# Altium PCB PCB1.PcbDoc (part 2 of 2)
Units mm, origin at the board's own origin, x right, y up, seen from the top; angles counter-clockwise.
Board outline 95 x 50 mm, 4 copper layers (Top Layer, GND02, PWR03, Bottom Layer), stack 0.603 mm thick; 238 components, 164 nets, 720 pads, 505 vias.
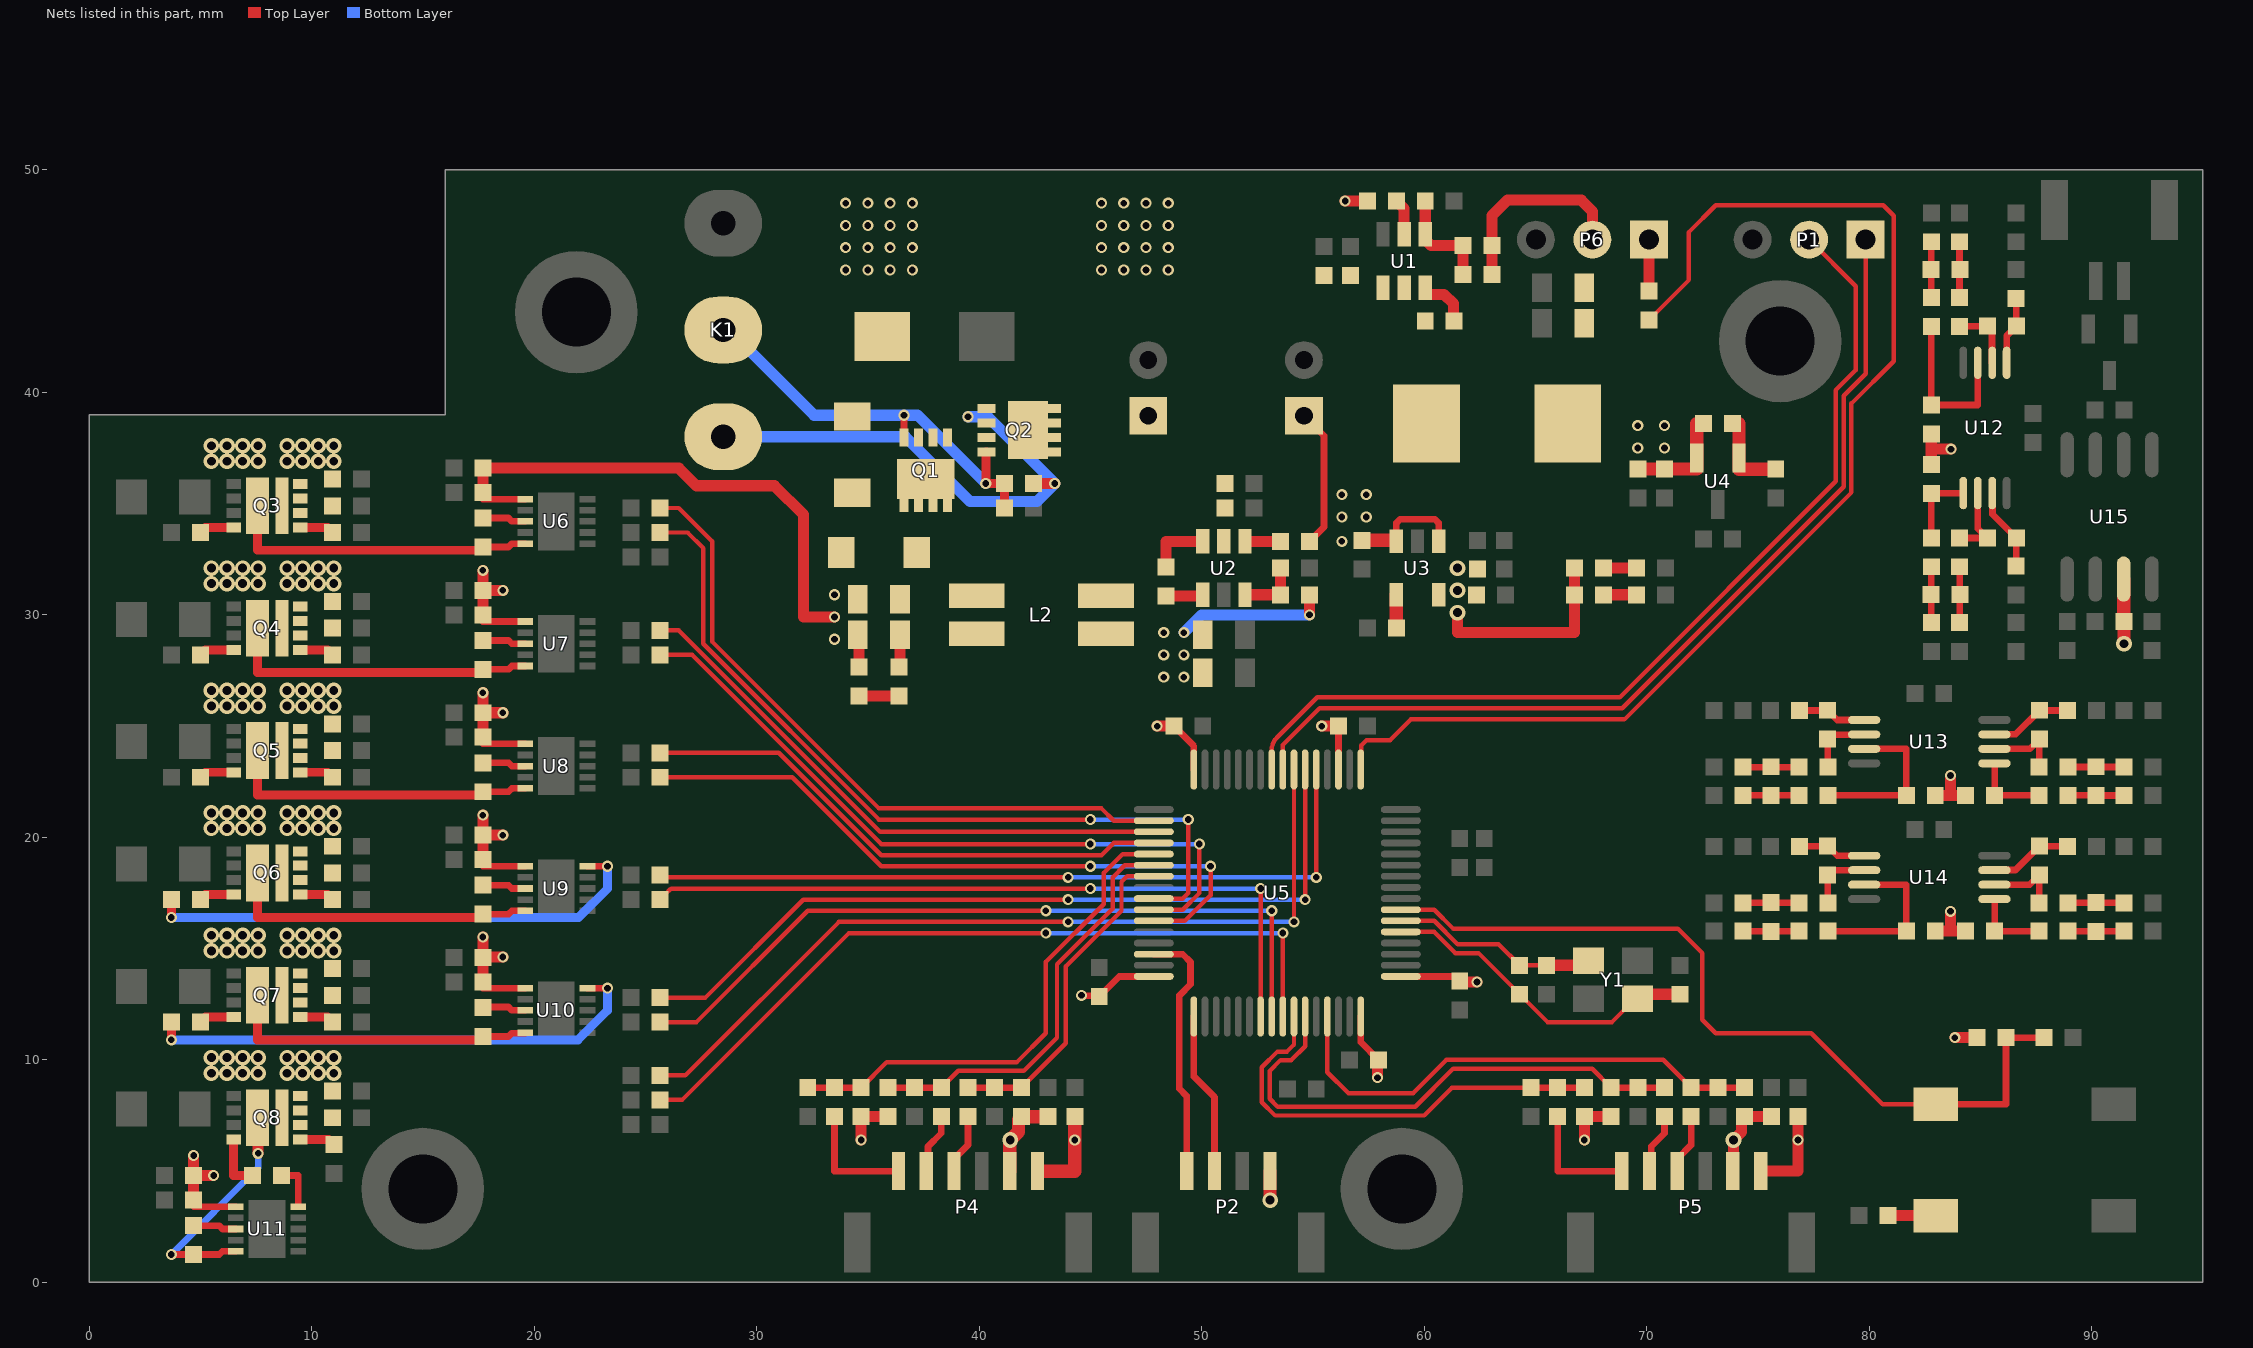
[diagram p4: the nets of this part, all layers, seen from the top]

## Via types
v1: diameter 0.5, hole 0.3, Top Layer to Bottom Layer, tented both sides, 292 vias
v2: diameter 0.7, hole 0.4, Top Layer to Bottom Layer, tented both sides, 213 vias

## Nets (pads, with @x,y where several pads share a name; then routed paths per layer and width w, separated by ;. In a path a pad name is that pad's centre, name@x,y a point inside that pad or via, vN(x,y) a via of type N, cw(c..) or ccw(c..) an arc to the next point about the centre after c; other vN are vias at no path point) (continued)
LO2_U: R43.1 U9.10 | length 22.8
  Top Layer w0.3: U9.10@22.4,18.701 U9.10@22.6,18.701 ; U9.10@22.6,18.7 v1(23.3,18.7)
  Top Layer w0.4: v1(3.7,16.4) R43.1@3.7,17.2
  Bottom Layer w0.4: v1(3.7,16.4) 22,16.4 23.3,17.7 v1(23.3,18.7)
LO2_V: R44.1 U10.10 | length 22.8
  Top Layer w0.3: U10.10@22.4,13.226 U10.10@22.6,13.226 ; U10.10@22.6,13.225 v1(23.3,13.225)
  Top Layer w0.4: v1(3.7,10.9) R44.1@3.7,11.7
  Bottom Layer w0.4: v1(3.7,10.9) 21.975,10.9 23.3,12.225 v1(23.3,13.225)
LO2_W: R45.1 U11.10 | length 2.1
  Top Layer w0.3: R45.1@8.65,4.8 9.4,4.8 U11.10@9.4,3.401
NetC1_1: C1.1 K1.2 Q1.S Q2.S | length 22.5
  Top Layer w0.5: C1.1@42.45,35.9 v1(43.4,35.9)
  Bottom Layer w0.5: K1.2@28.5,38 36.7,38 39.6,35.1 42.6,35.1 v1(43.4,35.9) 40.4,38.9 v1(39.5,38.9)
NetC1_2: C1.2 K1.1 Q1.G Q2.G R1.1 | length 19.1
  Top Layer w0.3: Q1.G@36.625,37.97 v1(36.625,38.97)
  Top Layer w0.4: Q2.G@40.33,37.325 40.315,37.325 40.315,35.915 v1(40.3,35.9) C1.2@41.15,35.9 R1.1@41.15,34.8
  Bottom Layer w0.5: K1.1@28.5,42.8 28.75,42.8 32.58,38.97 v1(36.625,38.97) 37.23,38.97 v1(40.3,35.9)
NetC6_1: C6.1 U1.6 | length 2.5
  Top Layer w0.5: U1.6@60.05,44.7 60.05,44.45 60.1,44.4 60.9,44.4 61.314,43.986 61.314,43.236 C6.1@61.35,43.2
NetC6_2: C6.2 L1.1 U1.5 | length 0.1
  Top Layer w0.254: L1.1@60.05,38.65 L1.1@60.1,38.6
NetC9_1: C9.1 R3.1 R4.1 U1.1 | length 4.9
  Top Layer w0.5: R4.1@60.05,48.6 60.05,46.85 60.3,46.6 R3.1@61.75,46.6 C9.1@61.75,45.3
NetC12_1: C12.1 U2.1 | length 1.7
  Top Layer w0.5: C12.1@48.4,30.85 50,30.85 U2.1@50.05,30.9
NetC12_2: C12.2 L2.2 U2.6 | length 2.8
  Top Layer w0.5: C12.2@48.4,32.15 48.4,33.3 U2.6@50.05,33.3
NetC22_2: C22.2 U3.4 | length 1.5
  Top Layer w0.6: C22.2@58.7,29.45 58.731,29.481 58.75,29.481 U3.4@58.75,30.9
NetC33_1: C33.1 U6.3 | length 2
  Top Layer w0.3: C33.1@17.7,34.35 18.85,34.35 19,34.2 U6.3@19.6,34.2
NetC34_1: C34.1 U7.3 | length 2
  Top Layer w0.3: C34.1@17.7,28.85 18.85,28.85 19,28.7 U7.3@19.6,28.7
NetC35_1: C35.1 U8.3 | length 2
  Top Layer w0.3: C35.1@17.7,23.35 18.85,23.35 19,23.2 U8.3@19.6,23.2
NetC48_1: C48.1 U9.3 | length 2
  Top Layer w0.3: C48.1@17.7,17.85 18.85,17.85 19,17.7 U9.3@19.6,17.7
NetC49_1: C49.1 U10.3 | length 2
  Top Layer w0.3: C49.1@17.7,12.375 18.85,12.375 19,12.225 U10.3@19.6,12.225
NetC50_1: C50.1 U11.3 | length 2
  Top Layer w0.3: C50.1@4.7,2.55 5.85,2.55 6,2.4 U11.3@6.6,2.4
NetC64_1: C64.1 R58.2 R59.1 | length 2.5
  Top Layer w0.3: R59.1@84.06,44.255 R58.2@84.06,46.765
NetC64_2: C64.2 R50.2 R51.1 | length 2.5
  Top Layer w0.3: R51.1@82.79,44.255 R50.2@82.79,46.765
NetC65_1: C65.1 R61.2 R62.1 | length 2.5
  Top Layer w0.3: R61.2@84.06,29.65 84.068,29.657 84.068,32.152 R62.1@84.06,32.16
NetC65_2: C65.2 R53.2 R54.1 | length 2.5
  Top Layer w0.3: C65.2@82.775,30.905 82.79,30.905 R54.1@82.79,32.16 ; C65.2@82.783,30.898 82.783,29.657 R53.2@82.79,29.65
NetC69_1: C69.1 R72.2 R73.1 | length 2.5
  Top Layer w0.3: R72.2@74.333,23.157 R73.1@76.843,23.157
NetC69_2: C69.2 R64.2 R65.1 | length 2.5
  Top Layer w0.3: R64.2@74.333,21.887 R65.1@76.843,21.887
NetC70_1: C70.1 R75.2 R76.1 | length 2.5
  Top Layer w0.3: R76.1@88.938,23.157 88.946,23.165 91.441,23.165 R75.2@91.448,23.157
NetC70_2: C70.2 R67.2 R68.1 | length 2.5
  Top Layer w0.3: R68.1@88.938,21.887 90.193,21.887 C70.2@90.193,21.872 ; C70.2@90.2,21.88 91.441,21.88 R67.2@91.448,21.887
NetC74_1: C74.1 R86.2 R87.1 | length 2.5
  Top Layer w0.3: R86.2@74.333,17.057 R87.1@76.843,17.057
NetC74_2: C74.2 R78.2 R79.1 | length 2.5
  Top Layer w0.3: R78.2@74.333,15.787 R79.1@76.843,15.787
NetC75_1: C75.1 R89.2 R90.1 | length 2.5
  Top Layer w0.3: R90.1@88.938,17.057 88.946,17.065 91.441,17.065 R89.2@91.448,17.057
NetC75_2: C75.2 R81.2 R82.1 | length 2.5
  Top Layer w0.3: R82.1@88.938,15.787 90.193,15.787 C75.2@90.193,15.772 ; C75.2@90.2,15.78 91.441,15.78 R81.2@91.448,15.787
NetD2_1: D2.1 L2.3
NetD3_2: D3.2 R6.1 | length 1.8
  Top Layer w0.5: D3.2@34.6,26.35 R6.1@36.4,26.35
NetD4_2: D4.2 R16.1 | length 1.5
  Top Layer w0.5: D4.2@68.05,32.1 R16.1@69.55,32.1
NetD5_2: D5.2 R17.1 | length 1.5
  Top Layer w0.5: D5.2@68.05,30.9 R17.1@69.55,30.9
NetF1_2: F1.2 Q1.D
NetP4_1: P4.1 R98.2 | length 5.3
  Top Layer w0.3: R98.2@33.5,7.45 33.5,5 P4.1@36.375,5
NetP4_2: P4.2 R99.2 | length 2.7
  Top Layer w0.3: P4.2@37.625,5 37.706,5.081 37.706,6.106 38.3,6.7 R99.2@38.3,7.45
NetP4_3: P4.3 R100.2 | length 2.7
  Top Layer w0.3: P4.3@38.875,5 38.875,5.55 39.5,6.175 R100.2@39.5,7.45
NetP5_1: P5.1 R104.2 | length 5.3
  Top Layer w0.3: R104.2@66,7.45 66,5 P5.1@68.875,5
NetP5_2: P5.2 R105.2 | length 2.7
  Top Layer w0.3: P5.2@70.125,5 70.206,5.081 70.206,6.106 70.8,6.7 R105.2@70.8,7.45
NetP5_3: P5.3 R106.2 | length 2.7
  Top Layer w0.3: P5.3@71.375,5 71.375,5.55 72,6.175 R106.2@72,7.45
NetP6_1: P6.1 R107.2 | length 2.3
  Top Layer w0.5: R107.2@70.1,44.55 70.1,46.859 P6.1@70.104,46.863
NetQ3_G1: Q3.G1 R24.2 | length 1.5
  Top Layer w0.4: Q3.G1@9.5,33.925 10.725,33.925 R24.2@10.95,33.7
NetQ3_G2: Q3.G2 R27.2 | length 1.6
  Top Layer w0.4: R27.2@5,33.7 5.225,33.925 Q3.G2@6.5,33.925
NetQ4_G1: Q4.G1 R25.2 | length 1.5
  Top Layer w0.4: Q4.G1@9.5,28.425 10.725,28.425 R25.2@10.95,28.2
NetQ4_G2: Q4.G2 R28.2 | length 1.6
  Top Layer w0.4: R28.2@5,28.2 5.225,28.425 Q4.G2@6.5,28.425
NetQ5_G1: Q5.G1 R26.2 | length 1.5
  Top Layer w0.4: Q5.G1@9.5,22.925 10.725,22.925 R26.2@10.95,22.7
NetQ5_G2: Q5.G2 R29.2 | length 1.6
  Top Layer w0.4: R29.2@5,22.7 5.225,22.925 Q5.G2@6.5,22.925
NetQ6_G1: Q6.G1 R40.2 | length 1.5
  Top Layer w0.4: Q6.G1@9.5,17.425 10.725,17.425 R40.2@10.95,17.2
NetQ6_G2: Q6.G2 R43.2 | length 1.6
  Top Layer w0.4: R43.2@5,17.2 5.225,17.425 Q6.G2@6.5,17.425
NetQ7_G1: Q7.G1 R41.2 | length 1.5
  Top Layer w0.4: Q7.G1@9.5,11.925 10.725,11.925 R41.2@10.95,11.7
NetQ7_G2: Q7.G2 R44.2 | length 1.6
  Top Layer w0.4: R44.2@5,11.7 5.225,11.925 Q7.G2@6.5,11.925
NetQ8_G1: Q8.G1 R42.2 | length 1.6
  Top Layer w0.4: Q8.G1@9.5,6.425 10.775,6.425 R42.2@11,6.2
NetQ8_G2: Q8.G2 R45.2 | length 2.5
  Top Layer w0.4: Q8.G2@6.5,6.425 6.5,4.8 R45.2@7.35,4.8
NetR2_1: R2.1 U1.2 | length 1.6
  Top Layer w0.5: R2.1@58.75,48.6 59.1,48.25 U1.2@59.1,47.1
NetR5_1: R5.1 U2.4 | length 1.6
  Top Layer w0.5: U2.4@51.95,33.3 R5.1@53.55,33.3
NetR7_1: R7.1 R8.1 U2.3 | length 2.8
  Top Layer w0.5: U2.3@51.95,30.9 R7.1@53.55,30.9 R8.1@53.55,32.1
NetR10_2: R10.2 R11.2 U4.1 | length 4
  Top Layer w0.6: R10.2@73.85,38.6 74.15,38.6 U4.1@74.15,37.05 74.15,36.55 R11.2@75.8,36.55
NetR15_1: R15.1 S2.2 | length 2.1
  Top Layer w0.5: R15.1@80.85,3 S2.2@83,3
NetR51_2: R51.2 R52.1 U12.3 | length 7.5
  Top Layer w0.3: R51.2@82.79,42.955 R52.1@82.79,39.429 84.878,39.429 U12.3@84.878,41.325
NetR54_2: R54.2 R55.1 U12.5 | length 3.1
  Top Layer w0.3: 82.79,33.841 R55.1@82.79,35.462 84.219,35.462 U12.5@84.228,35.471
NetR56_1: R56.1 R60.2 U12.1 | length 3.1
  Top Layer w0.3: U12.1@86.178,41.325 86.178,42.533 R60.2@86.615,42.97 86.608,42.977 86.608,44.217 R56.1@86.6,44.225
NetR57_1: R57.1 R63.2 U12.7 | length 3.7
  Top Layer w0.3: U12.7@85.528,35.471 85.538,35.461 85.538,34.522 86.607,33.452 86.607,32.198 R57.1@86.6,32.19
NetR59_2: R59.2 R60.1 U12.2 | length 3
  Top Layer w0.3: R59.2@84.06,42.955 84.067,42.962 85.307,42.962 R60.1@85.315,42.97 85.518,42.767 85.518,41.335 U12.2@85.528,41.325
NetR62_2: R62.2 R63.1 U12.6 | length 3.4
  Top Layer w0.3: R62.2@84.06,33.46 84.068,33.452 85.307,33.452 84.878,33.882 U12.6@84.878,35.471
NetR65_2: R65.2 R66.1 U13.3 | length 7.5
  Top Layer w0.3: R65.2@78.143,21.887 R66.1@81.669,21.887 81.669,23.975 U13.3@79.773,23.975
NetR68_2: R68.2 R69.1 U13.5 | length 3.1
  Top Layer w0.3: U13.5@85.627,23.325 85.636,23.316 R69.1@85.636,21.887 R68.2@87.257,21.887
NetR70_1: R70.1 R74.2 U13.1 | length 3.1
  Top Layer w0.3: R70.1@76.873,25.697 76.881,25.705 78.121,25.705 R74.2@78.128,25.712 78.565,25.275 U13.1@79.773,25.275
NetR71_1: R71.1 R77.2 U13.7 | length 3.7
  Top Layer w0.3: U13.7@85.627,24.625 85.637,24.635 86.576,24.635 87.646,25.704 88.9,25.704 R71.1@88.908,25.697
NetR73_2: R73.2 R74.1 U13.2 | length 3
  Top Layer w0.3: R73.2@78.143,23.157 78.136,23.164 78.136,24.404 R74.1@78.128,24.412 78.331,24.615 79.763,24.615 U13.2@79.773,24.625
NetR76_2: R76.2 R77.1 U13.6 | length 3.4
  Top Layer w0.3: U13.6@85.627,23.975 87.216,23.975 87.646,24.404 87.646,23.165 R76.2@87.638,23.157
NetR79_2: R79.2 R80.1 U14.3 | length 7.5
  Top Layer w0.3: R79.2@78.143,15.787 R80.1@81.669,15.787 81.669,17.875 U14.3@79.773,17.875
NetR82_2: R82.2 R83.1 U14.5 | length 3.1
  Top Layer w0.3: U14.5@85.627,17.225 85.636,17.216 R83.1@85.636,15.787 R82.2@87.257,15.787
NetR84_1: R84.1 R88.2 U14.1 | length 3.1
  Top Layer w0.3: R84.1@76.873,19.597 76.881,19.604 78.121,19.604 R88.2@78.128,19.612 78.565,19.175 U14.1@79.773,19.175
NetR85_1: R85.1 R91.2 U14.7 | length 3.7
  Top Layer w0.2: R85.1@88.9,19.604 R85.1@88.908,19.597
  Top Layer w0.3: U14.7@85.627,18.525 85.637,18.535 86.576,18.535 87.646,19.604 R85.1@88.9,19.604
NetR87_2: R87.2 R88.1 U14.2 | length 3
  Top Layer w0.3: R87.2@78.143,17.057 78.136,17.064 78.136,18.304 R88.1@78.128,18.312 78.331,18.515 79.763,18.515 U14.2@79.773,18.525
NetR90_2: R90.2 R91.1 U14.6 | length 3.4
  Top Layer w0.3: U14.6@85.627,17.875 87.216,17.875 87.646,18.304 87.646,17.065 R90.2@87.638,17.057
NRST: C32.2 R14.2 S1.2 U5.7 | length 37.3
  Top Layer w0.2: U5.7@58.95,16.75 60.45,16.75 61.3,15.9 71.4,15.9 72.5,14.8 72.5,11.8 73.1,11.2 77.4,11.2 80.6,8 S1.2@83,8
  Top Layer w0.3: S1.2@83,8 86.15,8 R14.2@86.15,11 C32.2@87.85,11
SWCLK: P2.2 U5.49 | length 7.3
  Top Layer w0.3: U5.49@49.65,11.95 49.65,9.25 50.575,8.325 P2.2@50.575,5
SWDIO: P2.1 U5.46 | length 11.5
  Top Layer w0.3: U5.46@47.85,14.75 49.15,14.75 49.5,14.4 49.5,13.4 49,12.9 49,8.7 49.325,8.375 P2.1@49.325,5
TIM1_CH1: R18.1 U5.41 | length 36.6
  Top Layer w0.2: R18.1@25.65,33.7 26.9,33.7 27.6,33 27.6,28.7 35.5,20.8 v1(45,20.8) ; U5.41@47.85,17.25 49.15,17.25 49.4,17.5 v1(49.4,20.8)
  Bottom Layer w0.2: v1(45,20.8) v1(49.4,20.8)
TIM1_CH1N: R19.1 U5.34 | length 30.7
  Top Layer w0.2: R19.1@25.65,34.8 26.5,34.8 28,33.3 28,28.8 35.5,21.3 45.5,21.3 46.05,20.75 U5.34@47.85,20.75
TIM1_CH2: R20.1 U5.42 | length 32.3
  Top Layer w0.2: R20.1@25.65,28.2 27.1,28.2 35.6,19.7 v1(45,19.7) ; U5.42@47.85,16.75 49.15,16.75 49.9,17.5 v1(49.9,19.7)
  Bottom Layer w0.2: v1(45,19.7) v1(49.9,19.7)
TIM1_CH2N: R21.1 U5.35 | length 25.9
  Top Layer w0.2: R21.1@25.65,29.3 26.5,29.3 35.55,20.25 U5.35@47.85,20.25
TIM1_CH3: R22.1 U5.43 | length 30.7
  Top Layer w0.2: R22.1@25.65,22.7 31.6,22.7 35.6,18.7 v1(45,18.7) ; U5.43@47.85,16.25 49.25,16.25 50.4,17.4 v1(50.4,18.7)
  Bottom Layer w0.2: v1(45,18.7) v1(50.4,18.7)
TIM1_CH3N: R23.1 U5.36 | length 24.3
  Top Layer w0.2: R23.1@25.65,23.8 31,23.8 35.6,19.2 45.5,19.2 46.05,19.75 U5.36@47.85,19.75
TIM2_CH4: R107.1 U5.17 | length 55.6
  Top Layer w0.2: U5.17@57.15,23.05 57.169,23.069 57.169,24.13 57.408,24.369 58.469,24.369 59.4,25.3 69,25.3 79.2,35.5 79.2,39.5 81.1,41.4 81.1,47.932 80.632,48.4 73.1,48.4 71.9,47.2 71.9,45.05 R107.1@70.1,43.25
TIM3_CH1: C81.2 R95.1 R98.1 U5.37 | length 22.6
  Top Layer w0.2: R95.1@34.7,8.75 35.85,9.9 41.7,9.9 43,11.2 43,14.4 45.6,17 45.6,18.4 46.45,19.25 U5.37@47.85,19.25
  Top Layer w0.3: C81.2@32.3,8.75 R98.1@33.5,8.75 R95.1@34.7,8.75
TIM3_CH2: C82.2 R96.1 R99.1 U5.38 | length 18.8
  Top Layer w0.2: R99.1@38.3,8.75 39.065,9.516 42.016,9.516 43.5,11 43.5,14.3 46,16.8 46,18.2 46.55,18.75 U5.38@47.85,18.75
  Top Layer w0.3: R96.1@35.9,8.75 R99.1@38.3,8.75
TIM3_CH3: C83.2 R97.1 R100.1 U5.39 | length 15.1
  Top Layer w0.2: R97.1@41.9,8.75 43.9,10.75 43.9,14.2 46.4,16.7 46.4,18 46.65,18.25 U5.39@47.85,18.25
  Top Layer w0.3: R100.1@39.5,8.75 C83.2@40.7,8.75 R97.1@41.9,8.75
TIM4_CH1: C86.2 R101.1 R104.1 U5.58 | length 20
  Top Layer w0.2: U5.58@54.15,11.95 54.15,10.688 53.836,10.374 53.41,10.374 52.7,9.664 52.7,8.1 53.3,7.5 60,7.5 61.25,8.75 C86.2@64.8,8.75
  Top Layer w0.3: C86.2@64.8,8.75 R104.1@66,8.75 R101.1@67.2,8.75
TIM4_CH2: C87.2 R102.1 R105.1 U5.59 | length 23.6
  Top Layer w0.2: U5.59@54.65,11.95 54.65,10.608 54.034,9.992 53.548,9.992 53.055,9.499 53.055,8.256 53.411,7.9 59.6,7.9 61.3,9.6 67.55,9.6 R102.1@68.4,8.75
  Top Layer w0.3: R102.1@68.4,8.75 C87.2@69.6,8.75 R105.1@70.8,8.75
TIM4_CH3: C88.2 R103.1 R106.1 U5.61 | length 22.8
  Top Layer w0.2: U5.61@55.65,11.95 55.65,9.45 56.6,8.5 59.5,8.5 61,10 70.75,10 R106.1@72,8.75
  Top Layer w0.3: R106.1@72,8.75 C88.2@73.2,8.75 R103.1@74.4,8.75
TIM10_CH1: R34.1 U5.55 | length 32.8
  Top Layer w0.2: R34.1@25.65,17.2 25.931,17.481 26.119,17.669 26.135,17.669 26.166,17.7 v1(45,17.7) ; U5.55@52.65,11.95 v1(52.65,17.7)
  Bottom Layer w0.2: v1(45,17.7) v1@52.5,17.7
TIM10_CH1N: R35.1 U5.21 | length 34.4
  Top Layer w0.2: R35.1@25.65,18.3 25.75,18.2 v1(44,18.2) ; v1@55.15,18.162 U5.21@55.15,23.05
  Bottom Layer w0.2: v1(44,18.2) v1(55.15,18.2)
TIM10_CH2: R36.1 U5.56 | length 34.3
  Top Layer w0.2: R36.1@25.65,11.7 27.3,11.7 32.3,16.7 v1(43,16.7) ; U5.56@53.15,11.95 v1(53.15,16.7)
  Bottom Layer w0.2: v1(43,16.7) v1(53.15,16.7)
TIM10_CH2N: R37.1 U5.22 | length 36.8
  Top Layer w0.2: R37.1@25.65,12.8 27.7,12.8 32.1,17.2 v1(44,17.2) ; v1@54.65,17.096 U5.22@54.65,23.05
  Bottom Layer w0.2: v1(44,17.2) v1(54.65,17.2)
TIM10_CH3: R38.1 U5.57 | length 34.9
  Top Layer w0.2: R38.1@25.65,8.2 26.65,8.2 34.15,15.7 v1(43,15.7) ; U5.57@53.65,11.95 v1(53.65,15.7)
  Bottom Layer w0.2: v1(43,15.7) v1(53.65,15.7)
TIM10_CH3N: R39.1 U5.23 | length 38.2
  Top Layer w0.2: R39.1@25.65,9.3 26.8,9.3 33.7,16.2 v1(44,16.2) ; v1(54.15,16.2) U5.23@54.15,23.05
  Bottom Layer w0.2: v1(44,16.2) v1(54.15,16.2)
UART8_RX: P1.2 U5.25 | length 43.5
  Top Layer w0.2: U5.25@53.15,23.05 U5.25@53.15,23.937 ; U5.25@53.15,23.938 cw(c53.904,23.938) 53.371,24.471 55.2,26.3 68.8,26.3 78.5,36 78.5,40.1 79.4,41 79.4,44.763 P1.2@77.3,46.863
UART8_TX: P1.1 U5.24 | length 42.6
  Top Layer w0.2: U5.24@53.65,23.05 53.65,24.15 55.3,25.8 68.9,25.8 78.85,35.75 78.85,39.85 79.84,40.84 P1.1@79.84,46.863
VBAT: C2.1 C3.1 C4.2 C5.2 C10.2 C11.2 C42.2 C43.2 C44.2 C45.2 C46.2 C47.2 C57.2 C58.2 C59.2 C60.2 C61.2 C62.2 Q2.D Q3.D1 Q4.D1 Q5.D1 Q6.D1 Q7.D1 Q8.D1 R2.2 R5.2 U1.4 U2.5 | length 7.3
  Top Layer w0.3: C3.1@54.6,38.95 55.5,38.05 55.5,33.95 R5.2@54.85,33.3
  Top Layer w0.5: v1(56.45,48.6) R2.2@57.45,48.6
  other v1: 45.5,45.5 46.5,45.5 47.5,45.5 48.5,45.5 45.5,46.5 46.5,46.5 47.5,46.5 48.5,46.5 45.5,47.5 46.5,47.5 47.5,47.5 48.5,47.5 45.5,48.5 46.5,48.5 47.5,48.5 48.5,48.5
  other v2: 8.9,9.4 9.6,9.4 10.3,9.4 11,9.4 8.9,10.1 9.6,10.1 10.3,10.1 11,10.1 8.9,14.9 9.6,14.9 10.3,14.9 11,14.9 8.9,15.6 9.6,15.6 10.3,15.6 11,15.6 8.9,20.4 9.6,20.4 10.3,20.4 11,20.4 8.9,21.1 9.6,21.1 10.3,21.1 11,21.1 8.9,25.9 9.6,25.9 10.3,25.9 11,25.9 8.9,26.6 9.6,26.6 10.3,26.6 11,26.6 8.9,31.4 9.6,31.4 10.3,31.4 11,31.4 8.9,32.1 9.6,32.1 10.3,32.1 11,32.1 8.9,36.9 9.6,36.9 10.3,36.9 11,36.9 8.9,37.6 9.6,37.6 10.3,37.6 11,37.6
VCC_3V3: C18.2 C24.2 C25.2 C26.2 C27.2 C28.2 C80.2 C85.2 D4.1 D5.1 FB1.1 P2.4 P4.5 P5.5 R14.1 R95.2 R96.2 R97.2 R101.2 R102.2 R103.2 U3.5 U5.1 U5.19 U5.32 U5.48 U5.64 | length 39.6
  Top Layer w0.3: v1(44.6,12.9) 44.625,12.875 45.375,12.875 C26.2@45.4,12.85 46.3,13.75 U5.48@47.85,13.75 ; C25.2@48.75,25 49.65,24.1 U5.32@49.65,23.05 ; U5.19@56.15,23.05 C27.2@56.15,25 ; U5.64@57.15,11.95 57.15,10.8 C28.2@57.95,10 ; U5.1@58.95,13.75 61.5,13.75 C24.2@61.6,13.649
  Top Layer w0.5: v1(34.7,6.4) R95.2@34.7,7.45 R96.2@35.9,7.45 ; v1(48,25) C25.2@48.75,25 ; v1(55.4,25) C27.2@56.15,25 ; v1(57.9,9.2) 57.9,9.95 C28.2@57.95,10 ; v2(61.5,30.1) 61.5,29.2 66.75,29.2 D5.1@66.75,30.9 D4.1@66.75,32.1 ; C24.2@61.6,13.649 C24.2@61.65,13.6 ; C24.2@61.65,13.5 v1(62.373,13.5) ; v1(67.2,6.4) R101.2@67.2,7.45 R102.2@68.4,7.45 ; P5.5@73.875,5 73.9,5.025 v2(73.9,6.4) 74.269,6.769 74.269,7.319 R103.2@74.4,7.45 C85.2@75.6,7.45 ; v1(83.85,11) R14.1@84.85,11
  Top Layer w0.6: P4.5@41.375,5 41.375,6.348 41.381,6.354 41.381,6.369 v2@41.375,6.375 ; v2(41.4,6.4) 41.769,6.769 41.769,7.319 R97.2@41.9,7.45 C80.2@43.1,7.45 ; v2(53.075,3.7) P2.4@53.075,5
  other v2: 61.5,31.1 61.5,32.1
VCC_5V: C13.2 C14.2 C15.1 C16.1 C17.2 C78.1 C79.2 C84.2 L2.1 L2.4 P4.6 P5.6 R6.2 R7.2 U3.1 U3.3 U15.3 | length 24.8
  Top Layer w0.3: U3.3@58.75,33.3 58.75,33.35 58.75,34.124 58.926,34.3 60.474,34.3 60.65,34.124 U3.1@60.65,33.3
  Top Layer w0.5: R6.2@36.4,27.65 36.45,27.65 C16.1@36.45,29.1 ; v1(54.85,30) R7.2@54.85,30.9 ; P5.6@75.125,5 76.8,5 v1(76.8,6.4) C84.2@76.8,7.45
  Top Layer w0.6: P4.6@42.625,5 44.3,5 v1(44.3,6.4) C79.2@44.3,7.45 ; C17.2@57.2,33.35 U3.3@58.75,33.35 ; U15.3@91.435,31.606 91.437,31.604 91.437,29.713 C78.1@91.45,29.7 v2(91.45,28.7)
  Bottom Layer w0.5: v1(49.2,29.2) 50,30 v1(54.85,30)
  other v1: 48.3,27.2 49.2,27.2 48.3,28.2 49.2,28.2 48.3,29.2 56.3,33.3 56.3,34.4 57.4,34.4 56.3,35.4 57.4,35.4
VCC_6V: C7.2 C8.2 C9.2 L1.2 P6.2 R3.2 | length 8.9
  Top Layer w0.5: C9.2@63.05,45.3 R3.2@63.05,46.6 63.05,47.937 63.753,48.64 67.057,48.64 67.564,48.133 P6.2@67.564,46.863
VCC_10V: C15.2 C16.2 C36.1 C37.1 C38.1 C39.1 C40.1 C41.1 C51.1 C52.1 C53.1 C54.1 C55.1 C56.1 D2.2 D3.1 U6.1 U7.1 U8.1 U9.1 U10.1 U11.1 | length 51.6
  Top Layer w0.3: C56.1@4.7,3.7 4.7,3.401 U11.1@6.6,3.401 ; C53.1@17.7,13.525 17.7,13.226 U10.1@19.6,13.226 ; C52.1@17.7,19 17.7,18.701 U9.1@19.6,18.701 ; C41.1@17.7,24.5 17.7,24.201 U8.1@19.6,24.201 ; C39.1@17.7,30 17.7,29.701 U7.1@19.6,29.701 ; C37.1@17.7,35.5 17.7,35.201 U6.1@19.6,35.201
  Top Layer w0.5: C56.1@4.7,3.7 C55.1@4.7,4.8 ; v1(4.7,5.7) C55.1@4.7,4.8 ; v1(5.6,4.8) C55.1@4.7,4.8 ; C53.1@17.7,13.525 C54.1@17.7,14.625 ; v1(17.7,15.525) C54.1@17.7,14.625 ; C52.1@17.7,19 C51.1@17.7,20.1 ; v1(17.7,21) C51.1@17.7,20.1 ; C41.1@17.7,24.5 C40.1@17.7,25.6 ; v1(17.7,26.5) C40.1@17.7,25.6 ; C39.1@17.7,30 C38.1@17.7,31.1 ; v1(17.7,32) C38.1@17.7,31.1 ; C37.1@17.7,35.5 C36.1@17.7,36.6 26.5,36.6 27.3,35.8 30.8,35.8 32.1,34.5 32.1,29.9 v1(33.5,29.9) ; v1(18.6,14.625) C54.1@17.7,14.625 ; v1(18.6,20.1) C51.1@17.7,20.1 ; v1(18.6,25.6) C40.1@17.7,25.6 ; v1(18.6,31.1) C38.1@17.7,31.1 ; C16.2@34.55,29.1 34.6,29.1 D3.1@34.6,27.65
  other v1: 33.5,28.9 33.5,30.9
VIN: D1.2 F1.1
  other v1: 34,45.5 35,45.5 36,45.5 37,45.5 34,46.5 35,46.5 36,46.5 37,46.5 34,47.5 35,47.5 36,47.5 37,47.5 34,48.5 35,48.5 36,48.5 37,48.5
VREF_1V65: C21.2 R9.1 R10.1 R52.2 R55.2 R66.2 R69.2 R80.2 R83.2 U4.2 | length 11.8
  Top Layer w0.5: R55.2@82.79,36.762 82.79,37.446 ; R52.2@82.79,38.129 82.79,37.446 ; R80.2@82.969,15.787 83.652,15.787 ; R66.2@82.969,21.887 83.652,21.887 ; v1(83.652,16.676) 83.652,15.787 ; v1(83.652,22.776) 83.652,21.887 ; v1(83.679,37.446) 82.79,37.446 ; R83.2@84.336,15.787 83.652,15.787 ; R69.2@84.336,21.887 83.652,21.887
  Top Layer w0.6: R9.1@69.6,36.55 72.25,36.55 U4.2@72.25,37.05 72.25,38.6 R10.1@72.55,38.6
  other v1: 69.6,37.5 70.8,37.5 69.6,38.5 70.8,38.5
VS1_U: C33.2 Q3.S1/D2 U6.5 | length 14.2
  Top Layer w0.3: C33.2@17.7,33.05 18.85,33.05 19.001,33.201 U6.5@19.6,33.201
  Top Layer w0.4: Q3.S1/D2@7.567,34.9 7.567,32.9 17.7,32.9 C33.2@17.7,33.05
  other v2: 5.5,36.9 6.2,36.9 6.9,36.9 7.6,36.9 5.5,37.6 6.2,37.6 6.9,37.6 7.6,37.6
VS1_V: C34.2 Q4.S1/D2 U7.5 | length 14.2
  Top Layer w0.3: C34.2@17.7,27.55 18.85,27.55 19.001,27.701 U7.5@19.6,27.701
  Top Layer w0.4: Q4.S1/D2@7.567,29.4 7.567,27.4 17.7,27.4 C34.2@17.7,27.55
  other v2: 5.5,31.4 6.2,31.4 6.9,31.4 7.6,31.4 5.5,32.1 6.2,32.1 6.9,32.1 7.6,32.1
VS1_W: C35.2 Q5.S1/D2 U8.5 | length 14.2
  Top Layer w0.3: C35.2@17.7,22.05 18.85,22.05 19.001,22.201 U8.5@19.6,22.201
  Top Layer w0.4: Q5.S1/D2@7.567,23.9 7.567,21.9 17.7,21.9 C35.2@17.7,22.05
  other v2: 5.5,25.9 6.2,25.9 6.9,25.9 7.6,25.9 5.5,26.6 6.2,26.6 6.9,26.6 7.6,26.6
VS2_U: C48.2 Q6.S1/D2 U9.5 | length 14.2
  Top Layer w0.3: C48.2@17.7,16.55 18.85,16.55 19.001,16.701 U9.5@19.6,16.701
  Top Layer w0.4: Q6.S1/D2@7.567,18.4 7.567,16.4 17.7,16.4 C48.2@17.7,16.55
  other v2: 5.5,20.4 6.2,20.4 6.9,20.4 7.6,20.4 5.5,21.1 6.2,21.1 6.9,21.1 7.6,21.1
VS2_V: C49.2 Q7.S1/D2 U10.5 | length 14.2
  Top Layer w0.3: C49.2@17.7,11.05 18.85,11.05 19.001,11.201 U10.5@19.6,11.201
  Top Layer w0.4: Q7.S1/D2@7.567,12.9 7.567,10.9 17.7,10.9 C49.2@17.7,11.05
  other v2: 5.5,14.9 6.2,14.9 6.9,14.9 7.6,14.9 5.5,15.6 6.2,15.6 6.9,15.6 7.6,15.6
VS2_W: C50.2 Q8.S1/D2 U11.5 | length 10.7
  Top Layer w0.3: v1(3.7,1.25) C50.2@4.7,1.25 5.85,1.25 6.001,1.401 U11.5@6.6,1.401
  Top Layer w0.5: Q8.S1/D2@7.567,7.4 7.6,7.367 v1(7.6,5.8)
  Bottom Layer w0.3: v1(3.7,1.25) 7.6,5.15 v1(7.6,5.8)
  other v2: 5.5,9.4 6.2,9.4 6.9,9.4 7.6,9.4 5.5,10.1 6.2,10.1 6.9,10.1 7.6,10.1
XTAL1: C23.2 R12.2 U5.5 Y1.4 | length 14.7
  Top Layer w0.2: U5.5@58.95,15.75 60.45,15.75 61.4,14.8 62.442,14.8 65.542,11.7 68.442,11.7 69.492,12.75 Y1.4@69.592,12.75
  Top Layer w0.5: Y1.4@69.592,12.75 69.792,12.95 C23.2@71.492,12.95
XTAL2: C29.2 R12.1 U5.6 Y1.2 | length 9.4
  Top Layer w0.2: U5.6@58.95,16.25 60.45,16.25 61.5,15.2 63.342,15.2 R12.1@64.292,14.25 C29.2@65.492,14.25
  Top Layer w0.5: C29.2@65.492,14.25 67.192,14.25 Y1.2@67.392,14.45
pads on no net: K1.3 U5.3 U5.4 U5.11 U5.20 U5.28 U5.29 U5.30 U5.40 U5.50 U5.51 U5.52 U5.53 U5.62 U6.2 U7.2 U8.2 U9.2 U10.2 U11.2 U15.5

## Polygon pours and split planes (outlines as drawn)
GND on GND02 (split plane): 94.49,0.51 0.51,0.51 0.51,38.49 16,38.49 16.1,38.499 16.195,38.528 16.284,38.576 16.361,38.639 16.424,38.716 16.472,38.805 16.501,38.9 16.51,39 16.51,49.49 81.571,49.49 81.571,38.229 74.929,38.229 74.929,39.3 74.92,39.35 74.892,39.392 74.85,39.42 74.8,39.429 68.8,39.429 68.75,39.42 68.708,39.392 68.68,39.35 68.671,39.3 68.671,35.029 63,35.029 62.95,35.02 62.908,34.992 62.88,34.95 62.871,34.9 62.88,34.85 62.908,34.808 62.95,34.78 63,34.771 68.8,34.771 68.85,34.78 68.892,34.808 68.92,34.85 68.929,34.9 68.929,39.171 74.671,39.171 74.671,38.1 74.68,38.05 74.708,38.008 74.75,37.98 74.8,37.971 81.7,37.971 81.75,37.98 81.792,38.008 81.82,38.05 81.829,38.1 81.829,49.49 87.871,49.49 87.871,27 87.88,26.95 87.908,26.908 87.95,26.88 88,26.871 93.171,26.871 93.171,12.329 72.629,12.329 72.629,16.4 72.62,16.45 72.592,16.492 72.55,16.52 72.5,16.529 58.029,16.529 58.029,23.971 63,23.971 63.05,23.98 63.092,24.008 63.12,24.05 63.129,24.1 63.129,29.6 63.129,33.9 63.12,33.95 63.092,33.992 63.05,34.02 63,34.029 62.95,34.02 62.908,33.992 62.88,33.95 62.871,33.9 62.871,29.6 62.871,24.229 57.9,24.229 57.85,24.22 57.808,24.192 57.78,24.15 57.771,24.1 57.771,16.4 57.78,16.35 57.808,16.308 57.85,16.28 57.9,16.271 72.371,16.271 72.371,12.2 72.38,12.15 72.408,12.108 72.45,12.08 72.5,12.071 93.3,12.071 93.35,12.08 93.392,12.108 93.42,12.15 93.429,12.2 93.429,27 93.42,27.05 93.392,27.092 93.35,27.12 93.3,27.129 88.129,27.129 88.129,49.49 94.49,49.49
VBAT on PWR03 (split plane): 58.071,36.479 55.7,36.479 55.65,36.47 55.608,36.442 55.58,36.4 55.571,36.35 55.571,34.129 52.7,34.129 52.65,34.12 52.608,34.092 52.58,34.05 52.571,34 52.571,30.18 45.1,30.18 45.05,30.17 45.008,30.142 44.98,30.1 44.971,30.05 44.971,26.329 40.6,26.329 40.55,26.32 40.508,26.292 40.48,26.25 40.471,26.2 40.471,11.529 30.2,11.529 30.15,11.52 30.108,11.492 30.08,11.45 30.071,11.4 30.071,0.51 0.51,0.51 0.51,38.49 16,38.49 16.1,38.499 16.195,38.528 16.284,38.576 16.361,38.639 16.424,38.716 16.472,38.805 16.501,38.9 16.51,39 16.51,49.49 58.071,49.49
VCC_10V on PWR03 (split plane): 33.971,28.429 23.8,28.429 23.75,28.42 23.708,28.392 23.68,28.35 23.671,28.3 23.671,6.029 6.2,6.029 6.15,6.02 6.108,5.992 6.08,5.95 6.071,5.9 6.071,4.329 4.329,4.329 4.329,6.471 17.3,6.471 17.35,6.48 17.392,6.508 17.42,6.55 17.429,6.6 17.429,32.471 33.971,32.471
VCC_5V on PWR03 (split plane): 94.49,0.51 30.329,0.51 30.329,11.271 40.6,11.271 40.65,11.28 40.692,11.308 40.72,11.35 40.729,11.4 40.729,26.071 45.1,26.071 45.15,26.08 45.192,26.108 45.22,26.15 45.229,26.2 45.229,29.921 52.7,29.921 52.75,29.931 52.792,29.959 52.82,30.001 52.829,30.05 52.829,33.871 55.7,33.871 55.75,33.88 55.792,33.908 55.82,33.95 55.829,34 55.829,36.221 58.071,36.221 58.071,32.829 55.8,32.829 55.75,32.82 55.708,32.792 55.68,32.75 55.671,32.7 55.671,26.629 47.4,26.629 47.35,26.62 47.308,26.592 47.28,26.55 47.271,26.5 47.271,24.729 42.4,24.729 42.35,24.72 42.308,24.692 42.28,24.65 42.271,24.6 42.271,9.729 31.7,9.729 31.65,9.72 31.608,9.692 31.58,9.65 31.571,9.6 31.571,5.5 31.58,5.45 31.608,5.408 31.65,5.38 31.7,5.371 43.6,5.371 43.65,5.38 43.692,5.408 43.72,5.45 43.729,5.5 43.729,6.971 44.771,6.971 44.771,5.5 44.78,5.45 44.808,5.408 44.85,5.38 44.9,5.371 50.971,5.371 50.971,3 50.98,2.95 51.008,2.908 51.05,2.88 51.1,2.871 54.2,2.871 54.25,2.88 54.292,2.908 54.32,2.95 54.329,3 54.329,7.271 64.071,7.271 64.071,4.5 64.08,4.45 64.108,4.408 64.15,4.38 64.2,4.371 76.3,4.371 76.35,4.38 76.392,4.408 76.42,4.45 76.429,4.5 76.429,7.271 77.471,7.271 77.471,4.5 77.48,4.45 77.508,4.408 77.55,4.38 77.6,4.371 93.3,4.371 93.35,4.38 93.392,4.408 93.42,4.45 93.429,4.5 93.429,27 93.42,27.05 93.392,27.092 93.35,27.12 93.3,27.129 88.129,27.129 88.129,49.49 94.49,49.49
VCC_3V3 on PWR03 (split plane): 81.571,38.229 74.929,38.229 74.929,39.3 74.92,39.35 74.892,39.392 74.85,39.42 74.8,39.429 68.8,39.429 68.75,39.42 68.708,39.392 68.68,39.35 68.671,39.3 68.671,35.029 63,35.029 62.95,35.02 62.908,34.992 62.88,34.95 62.871,34.9 62.871,29.6 62.871,24.229 57.9,24.229 57.85,24.22 57.808,24.192 57.78,24.15 57.771,24.1 57.771,16.4 57.78,16.35 57.808,16.308 57.85,16.28 57.9,16.271 72.371,16.271 72.371,12.2 72.38,12.15 72.408,12.108 72.45,12.08 72.5,12.071 93.171,12.071 93.171,4.629 77.729,4.629 77.729,7.4 77.72,7.45 77.692,7.492 77.65,7.52 77.6,7.529 76.3,7.529 76.25,7.52 76.208,7.492 76.18,7.45 76.171,7.4 76.171,4.629 64.329,4.629 64.329,7.4 64.32,7.45 64.292,7.492 64.25,7.52 64.2,7.529 54.2,7.529 54.15,7.52 54.108,7.492 54.08,7.45 54.071,7.4 54.071,3.129 51.229,3.129 51.229,5.5 51.22,5.55 51.192,5.592 51.15,5.62 51.1,5.629 45.029,5.629 45.029,7.1 45.02,7.15 44.992,7.192 44.95,7.22 44.9,7.229 43.6,7.229 43.55,7.22 43.508,7.192 43.48,7.15 43.471,7.1 43.471,5.629 31.829,5.629 31.829,9.471 42.4,9.471 42.45,9.48 42.492,9.508 42.52,9.55 42.529,9.6 42.529,24.471 47.4,24.471 47.45,24.48 47.492,24.508 47.52,24.55 47.529,24.6 47.529,26.371 55.8,26.371 55.85,26.38 55.892,26.408 55.92,26.45 55.929,26.5 55.929,32.571 58.2,32.571 58.25,32.58 58.292,32.608 58.32,32.65 58.329,32.7 58.329,36.35 58.329,49.49 81.571,49.49
VREF_1V65 on PWR03 (split plane): 74.671,38.1 74.68,38.05 74.708,38.008 74.75,37.98 74.8,37.971 84.171,37.971 84.171,36.929 83.6,36.929 83.55,36.92 83.508,36.892 83.48,36.85 83.471,36.8 83.471,23.5 83.48,23.45 83.508,23.408 83.55,23.38 83.6,23.371 84.171,23.371 84.171,22.229 83.6,22.229 83.55,22.22 83.508,22.192 83.48,22.15 83.471,22.1 83.471,17.3 83.48,17.25 83.508,17.208 83.55,17.18 83.6,17.171 84.071,17.171 84.071,16.229 82.629,16.229 82.629,34 82.62,34.05 82.592,34.092 82.55,34.12 82.5,34.129 70.329,34.129 70.329,34.9 70.32,34.95 70.292,34.992 70.25,35.02 70.2,35.029 68.929,35.029 68.929,39.171 74.671,39.171
AVCC_3V3 on PWR03 (split plane): 87.871,27 87.88,26.95 87.908,26.908 87.95,26.88 88,26.871 93.171,26.871 93.171,12.329 72.629,12.329 72.629,16.4 72.62,16.45 72.592,16.492 72.55,16.52 72.5,16.529 58.029,16.529 58.029,23.971 63,23.971 63.05,23.98 63.092,24.008 63.12,24.05 63.129,24.1 63.129,29.6 63.129,34.771 70.071,34.771 70.071,34 70.08,33.95 70.108,33.908 70.15,33.88 70.2,33.871 82.371,33.871 82.371,16.1 82.38,16.05 82.408,16.008 82.45,15.98 82.5,15.971 84.2,15.971 84.25,15.98 84.292,16.008 84.32,16.05 84.329,16.1 84.329,17.3 84.32,17.35 84.292,17.392 84.25,17.42 84.2,17.429 83.729,17.429 83.729,21.971 84.3,21.971 84.35,21.98 84.392,22.008 84.42,22.05 84.429,22.1 84.429,23.5 84.42,23.55 84.392,23.592 84.35,23.62 84.3,23.629 83.729,23.629 83.729,36.671 84.3,36.671 84.35,36.68 84.392,36.708 84.42,36.75 84.429,36.8 84.429,38.1 84.42,38.15 84.392,38.192 84.35,38.22 84.3,38.229 81.829,38.229 81.829,49.49 87.871,49.49

## Other copper
Top Layer:
  rectangle net GND: 61.2,33.8 64.9,34.8
  rectangle net VREF_1V65: 69.1,36.1 71.4,39
  rectangle net GND: 73.4,33 74.3,35.6
  rectangle net GND: 70.35,34.2 74.8,35.66
  rectangle net GND: 57,28.986 57.9,32.6
  rectangle net GND: 61.9,32.9 64.9,34.8
  rectangle net VCC_3V3: 60.2,29.7 62.8,32.5
  rectangle net AVCC_3V3: 63.2,29.7 65.1,32.5
  rectangle net GND: 59.4,31.6 60,33.9
  rectangle net GND: 54.37,31.6 60,32.6
  rectangle net VCC_5V: 55.95,32.8 57.75,36
  rectangle net VCC_5V: 35.7,28.4 37.1,31.4
  rectangle net VCC_10V: 32.816,28.4 35.3,33.7
  rectangle net NetD2_1: 38.5,30.2 41.2,33.2
  rectangle net NetD2_1: 36.4,31.6 41.2,33.9
  rectangle net GND: 51.5,26.8 54,29.7
  rectangle net VCC_5V: 47.3,26.7 50.5,29.801
  rectangle net VCC_5V: 35.9,28.4 48.9,29.8
  rectangle net NetC12_2: 44.4,32.7 49.6,35.1
  rectangle net NetC12_2: 44.4,30.3 47.7,35.1
  rectangle net NetC12_2: 46.9,32.7 50.4,34
  rectangle net GND: 51.8,34.2 54.6,36.4
  rectangle net GND: 50.7,30.3 51.335,32.5
  rectangle net GND: 49.5,31.7 52.4,32.5
  rectangle net VBAT: 50,34.2 51.6,38.3
  rectangle net VBAT: 50.568,32.734 51.454,37.5
  rectangle net VBAT: 41.2,36.6 57.2,40
  rectangle net VS2_V: 7.044,11.7 8.093,16
  rectangle net GND: 11.8,12.4 16.8,15.1
  rectangle net ISEN2_V: 4,12.342 6.834,14.3
  rectangle net VBAT: 8.394,12.344 11.4,16
  rectangle net VS2_V: 5.1,14.5 8.1,16
  rectangle net VS2_U: 5.1,20 8.1,21.5
  rectangle net GND: 0.6,3.2 3.8,5.3
  rectangle net GND: 11.8,8.9 14.7,10.5
  rectangle net GND: 11.8,6.9 12.8,10.5
  rectangle net VS2_W: 5.1,9 8.1,10.5
  rectangle net VS2_W: 7.044,6.2 8.093,10.5
  rectangle net ISEN2_W: 4,6.842 6.834,8.8
  rectangle net VBAT: 8.394,6.844 11.4,10.5
  rectangle net GND: 0.6,3.2 2.7,37
  rectangle net VBAT: 8.394,17.844 11.4,21.5
  rectangle net ISEN2_U: 4,17.842 6.834,19.8
  rectangle net GND: 11.8,17.9 16.8,20.6
  rectangle net VS2_U: 7.044,17.2 8.093,21.5
  rectangle net VBAT: 8.394,23.344 11.4,27
  rectangle net ISEN1_W: 4,23.342 6.834,25.3
  rectangle net GND: 11.8,23.4 16.8,26.1
  rectangle net VS1_W: 7.044,22.7 8.093,27
  rectangle net VS1_W: 5.1,25.5 8.1,27
  rectangle net VBAT: 8.394,28.844 11.4,32.5
  rectangle net ISEN1_V: 4,28.842 6.834,30.8
  rectangle net GND: 11.8,28.9 16.8,31.6
  rectangle net VS1_V: 7.044,28.2 8.093,32.5
  rectangle net VS1_V: 5.1,31 8.1,32.5
  rectangle net VS1_U: 5.1,36.5 8.1,38
  rectangle net VS1_U: 7.044,33.7 8.093,38
  rectangle net GND: 11.8,34.4 16.8,37.1
  rectangle net ISEN1_U: 4,34.342 6.834,36.3
  rectangle net VBAT: 8.394,34.344 11.4,38
  rectangle net VCC_6V: 64.5,36.6 68.6,40.5
  rectangle net VCC_6V: 66.548,36.6 68.6,47.879
  rectangle net GND: 64.008,42.291 66.04,47.879
  rectangle net NetC6_2: 58.4,36.6 61.8,40.5
  rectangle net NetC6_2: 58.4,36.6 60.5,43.8
  rectangle net NetC6_2: 58.749,38.2 59.456,45.3
  rectangle net GND: 53.9,46.1 58.5,47.9
  rectangle net VBAT: 54.9,44.1 58.5,45.7
  rectangle net VBAT: 55.9,36.603 58,45.7
  rectangle net GND: 49.7,42.9 54.5,49
  rectangle net GND: 38.2,40.3 55.7,43.6
  rectangle net VBAT: 44.5,44 49.3,49
  rectangle net NetC1_1: 37.1,37.7 40.8,40
  rectangle net NetC1_1: 37.067,37.4 39.3,40
  rectangle net NetF1_2: 33.2,34.4 39.3,37.1
  rectangle net VIN: 33,37.7 35.8,42.4
  rectangle net GND: 38.2,40.5 43,49
  rectangle net VIN: 33,40.3 37.8,49
Bottom Layer:
  rectangle net GND: 0.6,5.8 2.5,37
  rectangle net GND: 12.6,12.4 14.8,14.6
  rectangle net GND: 12.6,17.9 14.8,20.1
  rectangle net GND: 12.6,23.4 14.8,25.6
  rectangle net GND: 12.6,28.9 14.8,31.1
  rectangle net GND: 12.6,34.4 14.8,36.6
  rectangle net GND: 11.8,9 14.7,10.5
  rectangle net VBAT: 8.4,9 11.5,10.5
  rectangle net VBAT: 8.4,14.5 11.5,16
  rectangle net VBAT: 8.4,20 11.5,21.5
  rectangle net VBAT: 8.4,25.5 11.5,27
  rectangle net VBAT: 8.4,31 11.5,32.5
  rectangle net VBAT: 8.4,36.5 11.5,38
  rectangle net VS2_V: 4.7,13 8.2,16
  rectangle net VS2_W: 4.7,7.5 8.2,10.5
  rectangle net VS2_U: 4.7,18.5 8.2,21.5
  rectangle net VS1_W: 4.7,24 8.2,27
  rectangle net VS1_V: 4.7,29.5 8.2,32.5
  rectangle net VS1_U: 4.7,35 8.2,38
  rectangle net VBAT: 43.6,37.6 46,49
  rectangle net VBAT: 43.6,36.6 55.7,40
  rectangle net GND: 46.3,40.3 55.7,43.6
  rectangle net VBAT: 43.6,45 49,49
  rectangle net GND: 50,40.3 54,49
  rectangle net GND: 38.5,45 42.5,49
  rectangle net VIN: 33.5,45 37.5,49
GND02 (plane layer: these items are gaps in the copper):
  rectangle: 92.5,17.7 93,18.2
  rectangle: 72.8,17.7 73.3,18.2
  rectangle: 71.9,22.9 72.4,23.4
  rectangle: 92.469,23.8 93,24.349
  rectangle: 84.7,28.1 85.2,28.6
  rectangle: 83.82,48.514 84.328,49.022
  rectangle: 2.6,7.6 3.1,8
  rectangle: 2.6,13.1 3.1,13.5
  rectangle: 2.6,18.6 3.1,19
  rectangle: 2.6,24.1 3.1,24.5
  rectangle: 2.6,29.6 3.1,30
  rectangle: 2.616,35.1 3.1,35.524
  rectangle: 8.9,9.4 11,10.1
  rectangle: 5.5,9.4 7.6,10.1
  rectangle: 8.9,14.9 11,15.6
  rectangle: 5.5,14.9 7.6,15.6
  rectangle: 8.9,20.4 11,21.1
  rectangle: 5.5,20.4 7.6,21.1
  rectangle: 8.9,25.9 11,26.6
  rectangle: 5.5,25.9 7.6,26.6
  rectangle: 8.9,31.4 11,32.1
  rectangle: 5.5,31.4 7.6,32.1
  rectangle: 8.9,36.9 11,37.6
  rectangle: 5.5,36.9 7.6,37.6
  lines w0.254: 63,33.9 63,29.6 63,24.1 57.9,24.1 57.9,16.4 72.5,16.4 72.5,12.2 74.5,12.2 93.3,12.2 93.3,27 88,27 88,50 ; 63,34.9 68.8,34.9 68.8,39.3 74.8,39.3 74.8,38.1 81.7,38.1 81.7,50
PWR03 (plane layer: these items are gaps in the copper):
  rectangle: 54.61,29.718 55.118,30.226
  rectangle: 12.2,9.4 14.3,10.1
  rectangle: 5.5,9.4 7.6,10.1
  rectangle: 13,12.8 14.4,14.2
  rectangle: 5.5,14.9 7.6,15.6
  rectangle: 13,18.3 14.4,19.7
  rectangle: 5.5,20.4 7.6,21.1
  rectangle: 13,23.8 14.4,25.2
  rectangle: 5.5,25.9 7.6,26.6
  rectangle: 13,29.3 14.4,30.7
  rectangle: 5.5,31.4 7.6,32.1
  rectangle: 5.5,36.9 7.6,37.6
  rectangle: 13,34.8 14.4,36.2
  rectangle: 54.61,29.718 55.118,30.226
  lines w0.254: 30.2,0 30.2,11.4 40.6,11.4 40.6,26.2 45.1,26.2 45.1,30.05 52.7,30.05 52.7,34 55.7,34 55.7,36.35 58.2,36.35 ; 58.2,50 58.2,36.35 ; 68.8,34.9 68.8,39.3 74.8,39.3 74.8,38.1 84.3,38.1 84.3,36.8 83.6,36.8 83.6,23.5 84.3,23.5 84.3,22.1 83.6,22.1 83.6,17.3 84.2,17.3 84.2,16.1 82.5,16.1 82.5,34 70.2,34 70.2,34.9 63,34.9 63,29.6 63,24.1 57.9,24.1 57.9,16.4 72.5,16.4 72.5,12.2 93.3,12.2 ; 81.7,38.1 81.7,50 ; 88,50 88,27 93.3,27 93.3,4.5 77.6,4.5 77.6,7.4 76.3,7.4 76.3,4.5 64.2,4.5 64.2,7.4 54.2,7.4 54.2,3 51.1,3 51.1,5.5 44.9,5.5 44.9,7.1 43.6,7.1 43.6,5.5 31.7,5.5 31.7,9.6 42.4,9.6 42.4,24.6 47.4,24.6 47.4,26.5 55.8,26.5 55.8,32.7 58.2,32.7 58.2,36.35 ; 4.2,4.2 4.2,6.6 17.3,6.6 17.3,32.6 34.1,32.6 34.1,28.3 32.1,28.3 23.8,28.3 23.8,5.9 6.2,5.9 6.2,4.2 4.2,4.2

## Silkscreen, mask and mechanical layers (free items; w line width, h text height)
Top Overlay:
  lines w0.2: 86.9,15.1 92.3,15.1 92.3,11.7 86.9,11.7 86.9,15.1 ; 86.9,15.1 93.5,15.1 93.5,20.3 86.9,20.3 86.9,15.1 ; 79.2,40.8 81.5,40.8 81.5,45.4 79.2,45.4 79.2,40.8 ; 82.102,42.318 84.702,42.318 84.702,48.742 82.102,48.742 82.102,42.318
  text "VIN" at 36.146,49.913 h0.8 r180
  text "GND" at 41.48,49.913 h0.8 r180
  text "GND" at 52.986,49.913 h0.8 r180
  text "VOUT" at 48.262,49.888 h0.8 r180
  text "ON" at 23.2,48.8 h1.2 r270
  text "CANH" at 88.975,41.825 h0.8 r90
  text "CANL" at 93.875,41.825 h0.8 r90
  text "OFF" at 23.2,39.5 h1.2 r270
  text "RST" at 92.525,7.625 h0.8
  text "SWDIO" at 49.675,6.125 h0.8 r90
  text "SWCLK" at 50.975,6.125 h0.8 r90
  text "GND" at 52.275,6.125 h0.8 r90
  text "3V3" at 53.575,6.125 h0.8 r90
  text "KEY" at 92.525,2.625 h0.8
Bottom Overlay:
  text "GND" at 65.975,48.225 h0.8
  text "VCC" at 68.575,48.225 h0.8
  text "PWM" at 71.275,48.225 h0.8
  text "GND" at 75.575,48.225 h0.8
  text "RX" at 77.875,48.225 h0.8
  text "TX" at 80.475,48.225 h0.8
  text "U1" at 3.452,36.168 h0.8 r270
  text "V1" at 3.452,30.707 h0.8 r270
  text "W1" at 3.452,25.144 h0.8 r270
  text "U2" at 3.452,19.505 h0.8 r270
  text "V2" at 3.452,13.968 h0.8 r270
  text "W2" at 3.452,8.431 h0.8 r270
  text "A/H1" at 36.661,3.075 h0.8 r90
  text "B/H2" at 37.961,3.075 h0.8 r90
  text "Z/H3" at 39.261,3.075 h0.8 r90
  text "GND" at 40.575,3.075 h0.8 r90
  text "3V3" at 41.875,3.075 h0.8 r90
  text "5V" at 43.175,3.075 h0.8 r90
  text "A/H1" at 69.161,3.075 h0.8 r90
  text "B/H2" at 70.461,3.075 h0.8 r90
  text "Z/H3" at 71.761,3.075 h0.8 r90
  text "GND" at 73.075,3.075 h0.8 r90
  text "3V3" at 74.375,3.075 h0.8 r90
  text "5V" at 75.675,3.075 h0.8 r90
Top Solder:
  rectangle: 45,45 49,49
  rectangle: 50,45 54,49
  rectangle: 38.5,45 42.5,49
  rectangle: 33.5,45 37.5,49
Bottom Solder:
  rectangle: 4.7,13 8.2,16
  rectangle: 4.7,35 8.2,38
  rectangle: 4.7,29.5 8.2,32.5
  rectangle: 4.7,24 8.2,27
  rectangle: 4.7,18.5 8.2,21.5
  rectangle: 4.7,7.5 8.2,10.5
Mechanical 1:
  the board outline again, w0.254